# Allegro board 8880F5-0824_updates.brd

Outline 581.66 x 429.26 mm; copper layers: TOP, L02_DGND, L03_SIGNAL, L04_DGND, L05_SIGNAL, L06_DGND, L07_SIGNAL, L08_DGND, L09_SIGNAL, L10_DGND, L11_POWER, L12_DGND, L13_POWER, L14_DGND, L15_POWER, L16_DGND, L17_5V, L18_CBIT, L19_DGND, L20_POWER, L21_DGND, L22_POWER, L23_DGND, L24_POWER, L25_DGND, L26_SIGNAL, L27_DGND, L28_SIGNAL, L29_DGND, L30_SIGNAL, L31_DGND, L32_SIGNAL, L33_DGND, BOTTOM. Coordinates in mm from the lower left corner of the outline.

## Placement (name value [footprint] x y rotation side)
BD29  BD120-3A-S8  [FB0805]  129.54 134.62 180 bottom
BD30  BD120-3A-S8  [FB0805]  129.54 146.05 180 bottom
BD31  BD120-3A-S8  [FB0805]  129.54 142.24 0 bottom
BD32  BD120-3A-S8  [FB0805]  513.08 238.76 180 bottom
BD33  BD120-3A-S8  [FB0805]  513.08 242.57 180 bottom
BD34  BD120-3A-S8  [FB0805]  453.64 145.54 0 bottom
BD35  BD120-3A-S8  [FB0805]  453.64 137.92 180 bottom
BD36  BD120-3A-S8  [FB0805]  129.54 138.43 180 bottom
BD37  BD120-3A-S8  [FB0805]  453.64 130.3 180 bottom
BD38  BD120-3A-S8  [FB0805]  513.08 242.57 180 bottom
BD39  BD120-3A-S8  [FB0805]  453.64 141.73 0 bottom
BD40  BD120-3A-S8  [FB0805]  453.64 134.11 180 bottom
BD41  BD120-3A-S8  [FB0805]  513.08 234.95 180 bottom
BD42  BD120-3A-S8  [FB0805]  513.08 231.14 180 bottom
BD43  BD120-3A-S8  [FB0805]  513.08 227.33 180 bottom
BD44  BD120-3A-S8  [FB0805]  129.54 149.86 180 bottom
BR902  330-1-S4  [R0402]  36.83 133.35 270 bottom
C3  0.1U-16-X-S4-MU  [C0402]  184.15 132.33 180 bottom
C4  0.1U-16-X-S4-MU  [C0402]  181.61 132.33 180 bottom
C5  22P-50-N-S4-AVX  [C0402]  221.21 277.48 90 bottom
C6  22P-50-N-S4-AVX  [C0402]  221.21 271.16 270 bottom
C7  0.1U-16-X-S4-MU  [C0402]  110.74 230.12 0 bottom
C8  0.1U-16-X-S4-MU  [C0402]  104.14 215.5 180 bottom
C9  0.1U-16-X-S4-MU  [C0402]  104.24 229.1 180 bottom
CA1  NC/10U-10-X6S-S6-MU  [C0603]  186.05 292.1 0 bottom
CA2  NC/47U-10-X5R-S8-TDK  [C0805]  186.16 294 0 bottom
CA3  NC/10U-10-X6S-S6-MU  [C0603]  174.62 292.1 180 bottom
CA4  NC/47U-10-X5R-S8-TDK  [C0805]  174.52 294 180 bottom
CA5  NC/10U-10-X6S-S6-MU  [C0603]  117.47 290.83 180 bottom
CA6  NC/47U-10-X5R-S8-TDK  [C0805]  117.37 292.74 180 bottom
CA7  NC/10U-10-X6S-S6-MU  [C0603]  169.54 292.1 0 bottom
CA8  NC/47U-10-X5R-S8-TDK  [C0805]  169.65 294 0 bottom
CA9  NC/10U-10-X6S-S6-MU  [C0603]  158.11 292.1 180 bottom
CA10  NC/47U-10-X5R-S8-TDK  [C0805]  158.01 294 180 bottom
CA11  NC/10U-10-X6S-S6-MU  [C0603]  186.05 275.59 0 bottom
CA12  NC/47U-10-X5R-S8-TDK  [C0805]  186.16 277.5 0 bottom
CA13  NC/47U-10-X5R-S8-TDK  [C0805]  202.16 294 0 bottom
CA14  NC/10U-10-X6S-S6-MU  [C0603]  202.06 292.1 0 bottom
CA15  NC/47U-10-X5R-S8-TDK  [C0805]  190.53 294 180 bottom
CA16  NC/10U-10-X6S-S6-MU  [C0603]  190.63 292.1 180 bottom
CA17  NC/47U-10-X5R-S8-TDK  [C0805]  169.65 277.5 0 bottom
CA18  NC/10U-10-X6S-S6-MU  [C0603]  169.54 275.59 0 bottom
CA19  NC/47U-10-X5R-S8-TDK  [C0805]  100.34 249.52 180 bottom
CA20  NC/10U-10-X6S-S6-MU  [C0603]  100.44 247.61 180 bottom
CA21  10U-10-X6S-S6-MU  [C0603]  186.05 289.56 0 bottom
CA22  10U-10-X6S-S6-MU  [C0603]  174.62 289.56 180 bottom
CA23  10U-10-X6S-S6-MU  [C0603]  117.47 288.29 180 bottom
CA24  10U-10-X6S-S6-MU  [C0603]  169.54 289.56 0 bottom
CA25  10U-10-X6S-S6-MU  [C0603]  158.11 289.56 180 bottom
CA26  10U-10-X6S-S6-MU  [C0603]  186.05 273.05 0 bottom
CA27  10U-10-X6S-S6-MU  [C0603]  202.06 289.56 0 bottom
CA28  10U-10-X6S-S6-MU  [C0603]  190.63 289.56 180 bottom
CA29  10U-10-X6S-S6-MU  [C0603]  169.54 273.05 0 bottom
CA30  NC/47U-10-X5R-S8-TDK  [C0805]  95.47 249.57 180 bottom
CA31  10U-10-X6S-S6-MU  [C0603]  95.57 247.66 180 bottom
CA32  NC/10U-10-X6S-S6-MU  [C0603]  202.06 275.59 0 bottom
CA33  NC/47U-10-X5R-S8-TDK  [C0805]  202.16 277.5 0 bottom
CA34  10U-10-X6S-S6-MU  [C0603]  202.06 273.05 0 bottom
CA35  NC/10U-10-X6S-S6-MU  [C0603]  174.62 275.59 180 bottom
CA36  NC/47U-10-X5R-S8-TDK  [C0805]  174.52 277.5 180 bottom
CA37  10U-10-X6S-S6-MU  [C0603]  174.62 273.05 180 bottom
CA38  NC/10U-10-X6S-S6-MU  [C0603]  158.11 275.59 180 bottom
CA39  NC/47U-10-X5R-S8-TDK  [C0805]  158.01 277.5 180 bottom
CA40  10U-10-X6S-S6-MU  [C0603]  158.11 273.05 180 bottom
CB1  0.1U-25-X-S6  [C0603]  116.84 130.81 0 bottom
CB2  10U-16-T-SA  [CODE_A]  116.84 128.27 0 bottom
CB3  0.1U-25-X-S6  [C0603]  472.44 130.81 0 bottom
CB4  10U-16-T-SA  [CODE_A]  472.44 128.27 0 bottom
CB5  0.1U-25-X-S6  [C0603]  556.51 300.99 0 bottom
CB6  10U-16-T-SA  [CODE_A]  556.51 298.45 0 bottom
CB7  0.1U-25-X-S6  [C0603]  223.52 298.45 0 bottom
CB8  10U-16-T-SA  [CODE_A]  223.52 295.91 0 bottom
CB9  0.1U-25-X-S6  [C0603]  23.01 130.71 0 bottom
CB10  10U-25-X7R-SA  [C1206]  22.86 128.27 0 bottom
CB11  0.1U-25-X-S6  [C0603]  484.02 130.71 0 bottom
CB12  10U-25-X7R-SA  [C1206]  483.87 128.27 0 bottom
CB13  0.1U-25-X-S6  [C0603]  547.52 300.89 0 bottom
CB14  10U-25-X7R-SA  [C1206]  547.37 298.45 0 bottom
CB15  0.1U-25-X-S6  [C0603]  12.45 262.13 0 bottom
CB16  10U-25-X7R-SA  [C1206]  12.3 259.69 0 bottom
CB19  0.1U-25-X7R-S4-MU  [C0402]  215.9 17.78 180 bottom
CC1  0.47U-10-X6S-S2-TY  [C0201]  237.98 224.12 90 bottom
CC2  4.7U-10-X6T-S4-MU  [C0402]  236.32 222.4 270 bottom
CC4  0.47U-10-X6S-S2-TY  [C0201]  229.81 247.93 0 bottom
CC6  0.47U-10-X6S-S2-TY  [C0201]  250.17 224.12 90 bottom
CC7  0.47U-10-X6S-S2-TY  [C0201]  229.81 246.66 0 bottom
CC8  0.47U-10-X6S-S2-TY  [C0201]  263.63 224.12 90 bottom
CC9  0.47U-10-X6S-S2-TY  [C0201]  254.61 266.16 270 bottom
CC11  0.47U-10-X6S-S2-TY  [C0201]  251.06 224.12 90 bottom
CC13  0.47U-10-X6S-S2-TY  [C0201]  256.77 224.12 90 bottom
CC15  4.7U-2.5-X6S-S2-MU  [C0201]  259.65 264.95 90 bottom
CC16  NC/4.7U-2.5-X6S-S2-MU  [C0201]  271.64 249.5 0 bottom
CC17  4.7U-2.5-X6S-S2-MU  [C0201]  229.81 253.69 0 bottom
CC19  0.47U-10-X6S-S2-TY  [C0201]  252.83 266.16 270 bottom
CC20  4.7U-10-X6T-S4-MU  [C0402]  254.11 267.66 0 bottom
CC22  0.47U-10-X6S-S2-TY  [C0201]  251.05 266.16 270 bottom
CC23  4.7U-10-X6T-S4-MU  [C0402]  250.34 253.09 270 bottom
CC25  0.47U-10-X6S-S2-TY  [C0201]  272.85 245.18 180 bottom
CC26  0.47U-10-X6S-S2-TY  [C0201]  253.72 266.16 270 bottom
CC27  0.47U-10-X6S-S2-TY  [C0201]  272.85 249.5 180 bottom
CC28  0.47U-10-X6S-S2-TY  [C0201]  259.65 266.16 270 bottom
CC29  0.47U-10-X6S-S2-TY  [C0201]  231.03 253.69 180 bottom
CC30  0.47U-10-X6S-S2-TY  [C0201]  229.81 243.41 0 bottom
CC31  0.47U-10-X6S-S2-TY  [C0201]  249.28 224.12 90 bottom
CC32  0.47U-10-X6S-S2-TY  [C0201]  262.36 224.12 90 bottom
CC33  0.47U-10-X6S-S2-TY  [C0201]  272.85 243.91 180 bottom
CC34  0.47U-10-X6S-S2-TY  [C0201]  251.94 266.16 270 bottom
CC35  0.47U-10-X6S-S2-TY  [C0201]  272.85 241.37 180 bottom
CC36  0.47U-10-X6S-S2-TY  [C0201]  272.85 242.64 180 bottom
CC37  0.47U-10-X6S-S2-TY  [C0201]  247.57 264.95 90 bottom
CC38  NC/4.7U-2.5-X6S-S2-MU  [C0201]  247.57 266.16 270 bottom
CC39  0.47U-10-X6S-S2-TY  [C0201]  231.03 249.2 180 bottom
CC40  4.7U-2.5-X6S-S2-MU  [C0201]  258.5 246.67 180 bottom
CC41  4.7U-2.5-X6S-S2-MU  [C0201]  229.81 249.2 0 bottom
CC42  4.7U-2.5-X6S-S2-MU  [C0201]  251.54 253.03 90 bottom
CD1  0.1U-10-X7R-S2-MU  [C0201]  237.98 225.34 270 top
CD3  0.1U-10-X7R-S2-MU  [C0201]  271.64 241.37 0 top
CD4  0.1U-10-X7R-S2-MU  [C0201]  254.61 264.95 90 top
CD5  0.1U-10-X7R-S2-MU  [C0201]  263.63 225.34 270 top
CD6  0.1U-10-X7R-S2-MU  [C0201]  231.03 246.66 180 top
CD7  0.1U-10-X7R-S2-MU  [C0201]  271.64 242.64 0 top
CD8  0.1U-10-X7R-S2-MU  [C0201]  251.06 225.34 270 top
CD9  0.1U-10-X7R-S2-MU  [C0201]  256.77 225.34 270 top
CD10  0.1U-10-X7R-S2-MU  [C0201]  271.64 249.5 0 top
CD11  0.1U-10-X7R-S2-MU  [C0201]  259.65 264.95 90 top
CD12  0.1U-10-X7R-S2-MU  [C0201]  231.03 253.69 180 top
CD13  0.1U-10-X7R-S2-MU  [C0201]  252.83 264.95 90 top
CD14  0.1U-10-X7R-S2-MU  [C0201]  251.05 264.95 90 top
CD15  0.1U-10-X7R-S2-MU  [C0201]  271.64 245.18 0 top
CD16  0.1U-10-X7R-S2-MU  [C0201]  253.72 264.95 90 top
CD17  0.1U-10-X7R-S2-MU  [C0201]  231.03 247.93 180 top
CD18  0.1U-10-X7R-S2-MU  [C0201]  251.94 264.95 90 top
CD19  0.1U-10-X7R-S2-MU  [C0201]  231.03 243.41 180 top
CD20  0.1U-10-X7R-S2-MU  [C0201]  271.64 243.91 0 top
CD21  0.1U-10-X7R-S2-MU  [C0201]  262.36 225.34 270 top
CD22  0.1U-10-X7R-S2-MU  [C0201]  249.28 225.34 270 top
CD23  0.1U-10-X7R-S2-MU  [C0201]  250.17 225.34 270 top
CD24  0.1U-10-X7R-S2-MU  [C0201]  247.57 264.95 90 top
CD25  0.1U-10-X7R-S2-MU  [C0201]  231.03 249.2 180 top
CSDPS225  V93K_CSDPS_DPS32  [PG_VG93K_PF_DPS32_G8D225]  254 331.47 0 top
CSDPS229  V93K_CSDPS_DPS32  [PG_VG93K_PF_DPS32_G8D229]  180.34 331.47 0 top
CSDPS425  V93K_CSDPS_DPS32  [PG_VG93K_PF_DPS32_G8D425]  254 341.63 0 top
CSDPS429  V93K_CSDPS_DPS32  [PG_VG93K_PF_DPS32_G8D429]  180.34 341.63 0 top
D101/D501  V93K_PS1600 HD  [PG_VG93K_F_HSM_G1D101_501_ND]  327.66 97.79 0 top
D102  V93K_CH  [PG_VG93K_F_G1D102]  327.66 77.47 0 top
D103  V93K_CH  [PG_VG93K_F_G1D103]  327.66 57.15 0 top
D104  V93K_CH  [PG_VG93K_F_G1D104]  327.66 36.83 0 top
D105/D505  V93K_PS1600 HD  [PG_VG93K_F_HSM_G1D105_505_ND]  401.32 97.79 0 top
D106  V93K_CH  [PG_VG93K_F_G1D106]  401.32 77.47 0 top
D107  V93K_CH  [PG_VG93K_F_G1D107]  401.32 57.15 0 top
D108  V93K_CH  [PG_VG93K_F_G1D108]  401.32 36.83 0 top
D109  V93K_CH  [PG_VG93K_F_G2D109]  401.32 331.47 0 top
D110  V93K_CH  [PG_VG93K_F_G2D110]  401.32 351.79 0 top
D111  V93K_CH  [PG_VG93K_F_G2D111]  401.32 372.11 0 top
D112  V93K_CH  [PG_VG93K_F_G2D112]  401.32 392.43 0 top
D113  V93K_CH  [PG_VG93K_F_G2D113]  327.66 331.47 0 top
D114  V93K_CH  [PG_VG93K_F_G2D114]  327.66 351.79 0 top
D115  V93K_CH  [PG_VG93K_F_G2D115]  327.66 372.11 0 top
D116  V93K_CH  [PG_VG93K_F_G2D116]  327.66 392.43 0 top
D117/D517  V93K_PS1600 HD  [PG_VG93K_F_HSM_G3D117_517_ND]  180.34 97.79 0 top
D118  V93K_CH  [PG_VG93K_F_G3D118]  180.34 77.47 0 top
D119  V93K_CH  [PG_VG93K_F_G3D119]  180.34 57.15 0 top
D120  V93K_CH  [PG_VG93K_F_G3D120]  180.34 36.83 0 top
D121/D521  V93K_PS1600 HD  [PG_VG93K_F_HSM_G3D121_521_ND]  254 97.79 0 top
D122  V93K_CH  [PG_VG93K_F_G3D122]  254 77.47 0 top
D123  V93K_CH  [PG_VG93K_F_G3D123]  254 57.15 0 top
D124  V93K_CH  [PG_VG93K_F_G3D124]  254 36.83 0 top
D125  V93K_CH  [PG_VG93K_F_G4D125]  33.02 97.79 0 top
D126  V93K_CH  [PG_VG93K_F_G4D126]  33.02 77.47 0 top
D127  V93K_CH  [PG_VG93K_F_G4D127]  33.02 57.15 0 top
D128  V93K_CH  [PG_VG93K_F_G4D128]  33.02 36.83 0 top
D129  V93K_CH  [PG_VG93K_F_G4D129]  106.68 97.79 0 top
D130  V93K_CH  [PG_VG93K_F_G4D130]  106.68 77.47 0 top
D131  V93K_CH  [PG_VG93K_F_G4D131]  106.68 57.15 0 top
D132  V93K_CH  [PG_VG93K_F_G4D132]  106.68 36.83 0 top
D231  V93K_CH  [PG_VG93K_F_G8D231]  180.34 372.11 0 top
D301  V93K_CH  [PG_VG93K_F_G1D301]  327.66 87.63 0 top
D302  V93K_CH  [PG_VG93K_F_G1D302]  327.66 67.31 0 top
D305  V93K_CH  [PG_VG93K_F_G1D305]  401.32 87.63 0 top
D306  V93K_CH  [PG_VG93K_F_G1D306]  401.32 67.31 0 top
D309  V93K_PSSL  [PG_VG93K_F_PSSL_G2D309_ND]  401.32 341.63 0 top
D313  V93K_PSSL  [PG_VG93K_F_PSSL_G2D313_ND]  327.66 341.63 0 top
D317  V93K_CH  [PG_VG93K_F_G3D317]  180.34 87.63 0 top
D318  V93K_CH  [PG_VG93K_F_G3D318]  180.34 67.31 0 top
D321  V93K_CH  [PG_VG93K_F_G3D321]  254 87.63 0 top
D322  V93K_CH  [PG_VG93K_F_G3D322]  254 67.31 0 top
D431  V93K_CH  [PG_VG93K_F_G8D431]  180.34 382.27 0 top
DPS1  V93K_DPS  [PG_VG93K_F_G1DPS1]  401.32 16.51 0 top
DPS2  V93K_DPS  [PG_VG93K_F_G2DPS2]  327.66 412.75 0 top
DPS3  V93K_DPS  [PG_VG93K_F_G3DPS3]  254 16.51 0 top
DPS8  V93K_DPS  [PG_VG93K_F_G8DPS8]  180.34 412.75 0 top
FD1  -  [FD_040_V2]  159.82 131.98 0 top
FD2  -  [FD_040_V2]  423.24 131.98 0 top
FD3  -  [FD_040_V2]  423.24 297.28 0 top
FD4  -  [FD_040_V2]  156.51 297.46 0 top
FD5  -  [FD_040_V2]  159.82 131.98 180 bottom
FD6  -  [FD_040_V2]  423.24 131.98 180 bottom
FD7  -  [FD_040_V2]  423.24 297.28 180 bottom
FD8  -  [FD_040_V2]  156.51 297.46 180 bottom
FD9  -  [FD_040_V2]  570.23 128.27 180 bottom
FD10  -  [FD_040_V2]  570.23 300.99 0 top
FD11  -  [FD_040_V2]  570.23 300.99 180 bottom
FD12  -  [FD_040_V2]  11.43 300.99 0 top
FD13  -  [FD_040_V2]  11.43 300.99 180 bottom
FD14  -  [FD_040_V2]  11.43 127 0 top
FD15  -  [FD_040_V2]  11.43 127 180 bottom
FD16  -  [FD_040_V2]  570.23 128.27 0 top
GND1  TP01  [TP_040_T]  173.57 294 0 top
GND2  TP01  [TP_040_T]  187.11 294 180 top
GND3  TP01  [TP_040_T]  116.42 292.74 0 top
GND4  TP01  [TP_040_T]  157.06 294 0 top
GND5  TP01  [TP_040_T]  170.6 294 180 top
GND6  TP01  [TP_040_T]  173.57 277.5 0 top
GND7  TP01  [TP_040_T]  203.11 294 180 top
GND8  TP01  [TP_040_T]  189.58 294 0 top
GND9  TP01  [TP_040_T]  170.6 277.5 180 top
GND10  TP01  [TP_040_T]  99.36 249.46 0 top
GND11  TP01  [TP_040_T]  94.49 249.52 0 top
GND12  TP01  [TP_040_T]  203.11 277.5 180 top
GND13  TP01  [TP_040_T]  187.11 277.5 180 top
GND14  TP01  [TP_040_T]  157.06 277.5 0 top
HX8880-F05  REF-CODE-CHIP  [CHIP_CODE]  559.05 279.65 0 top
J1  HDR-2X1-M  [JP_2P_100]  110.24 232.41 270 bottom
J2  HDR-3X1-M  [JP_3P_100]  88.76 205.43 90 bottom
J3  HDR-3X1-M  [JP_3P_100]  88.76 219.15 90 bottom
J4  HDR-2X1-M  [JP_2P_100]  96.27 231.39 90 bottom
J5  HDR-2X1-M  [JP_2P_100]  96.27 243.08 90 bottom
JG_220919AA01  REF-CODE-SOCKET  [SOCKET_CODE]  559.05 284.73 0 top
JG_220919AA02  REF-CODE-SOCKET  [SOCKET_CODE]  559.05 287.27 0 top
K1  G6K-2F-RF-T-5V-SPECIAL  [RL_G6K2FRT_8P_5V_GR]  171.7 219.2 270 bottom
K2  G6K-2F-RF-T-5V-SPECIAL  [RL_G6K2FRT_8P_5V_GR]  205.23 232.92 270 bottom
K3  G6K-2F-RF-T-5V-SPECIAL  [RL_G6K2FRT_8P_5V_GR]  294.39 292.86 0 bottom
K4  G6K-2F-RF-T-5V-SPECIAL  [RL_G6K2FRT_8P_5V_GR]  307.59 292.86 0 bottom
K5  G6K-2F-RF-T-5V-SPECIAL  [RL_G6K2FRT_8P_5V_GR]  347.73 292.86 0 bottom
K6  G6K-2F-RF-T-5V-SPECIAL  [RL_G6K2FRT_8P_5V_GR]  334.26 292.86 0 bottom
K7  G6K-2F-RF-T-5V-SPECIAL  [RL_G6K2FRT_8P_5V_GR]  320.8 292.86 0 bottom
K8  G6K-2F-RF-T-5V-SPECIAL  [RL_G6K2FRT_8P_5V_GR]  267.46 292.86 0 bottom
K9  UA2-5NJ-A-V3  [RL_NECUA2_5V_V3]  219.96 235.46 90 bottom
K10  UA2-5NJ-A-V3  [RL_NECUA2_5V_V3]  111.76 237.24 0 bottom
K11  G6K-2F-RF-T-5V-SPECIAL  [RL_G6K2FRT_8P_5V_GR]  289.56 276.1 180 bottom
K12  UA2-5NJ-A-V3  [RL_NECUA2_5V_V3]  219.96 246.89 90 bottom
K13  UA2-5NJ-A-V3  [RL_NECUA2_5V_V3]  123.7 229.62 180 bottom
K14  UA2-5NJ-A-V3  [RL_NECUA2_5V_V3]  112.01 220.73 180 bottom
K15  UA2-5NJ-A-V3  [RL_NECUA2_5V_V3]  123.99 213.19 180 bottom
K16  G6K-2F-RF-T-5V-SPECIAL  [RL_G6K2FRT_8P_5V_GR]  241.05 292.61 180 bottom
K17  G6K-2F-RF-T-5V-SPECIAL  [RL_G6K2FRT_8P_5V_GR]  254.25 292.86 0 bottom
K18  UB2-5NU-B  [RL_NECUB2_5V]  228.45 274.32 0 bottom
K19  UA2-5NJ-A-V3  [RL_NECUA2_5V_V3]  112.01 213.11 180 bottom
K20  UA2-5NJ-A-V3  [RL_NECUA2_5V_V3]  123.95 220.73 180 bottom
K21  G6K-2F-RF-T-5V-SPECIAL  [RL_G6K2FRT_8P_5V_GR]  280.92 292.86 0 bottom
K22  G6K-2F-RF-T-5V-SPECIAL  [RL_G6K2FRT_8P_5V_GR]  205.23 246.63 270 bottom
K23  G6K-2F-RF-T-5V-SPECIAL  [RL_G6K2FRT_8P_5V_GR]  188.47 232.92 270 bottom
K24  G6K-2F-RF-T-5V-SPECIAL  [RL_G6K2FRT_8P_5V_GR]  171.7 232.92 270 bottom
K25  G6K-2F-RF-T-5V-SPECIAL  [RL_G6K2FRT_8P_5V_GR]  204.98 260.35 270 bottom
K26  G6K-2F-RF-T-5V-SPECIAL  [RL_G6K2FRT_8P_5V_GR]  188.47 246.63 270 bottom
K27  G6K-2F-RF-T-5V-SPECIAL  [RL_G6K2FRT_8P_5V_GR]  171.7 246.63 270 bottom
K28  UA2-5NJ-A-V3  [RL_NECUA2_5V_V3]  100.33 237.24 0 bottom
K29  G6K-2F-RF-T-5V-SPECIAL  [RL_G6K2FRT_8P_5V_GR]  171.7 260.35 270 bottom
K30  G6K-2F-RF-T-5V-SPECIAL  [RL_G6K2FRT_8P_5V_GR]  188.47 260.35 270 bottom
K31  EC2-5NJ-A  [RL_NECEC2_10P_5V]  196.34 276.86 90 bottom
K33  NC/UA2-5NJ-A-V3  [RL_NECUA2_5V_V3]  123.7 237.24 180 bottom
K34  EC2-5NJ-A  [RL_NECEC2_10P_5V]  180.34 293.37 90 bottom
K36  EC2-5NJ-A  [RL_NECEC2_10P_5V]  123.19 292.1 90 bottom
K37  EC2-5NJ-A  [RL_NECEC2_10P_5V]  163.83 293.37 90 bottom
K39  EC2-5NJ-A  [RL_NECEC2_10P_5V]  180.34 276.86 90 bottom
K40  EC2-5NJ-A  [RL_NECEC2_10P_5V]  196.34 293.37 90 bottom
K42  EC2-5NJ-A  [RL_NECEC2_10P_5V]  163.83 276.86 90 bottom
K43  G6K-2F-RF-T-5V-SPECIAL  [RL_G6K2FRT_8P_5V_GR]  269.49 276.1 180 bottom
LD902  LDG-2-S8  [LED_0805]  36.83 130.81 90 top
LOGO1  -  [LOGO_KT_KSMT]  538.48 154.94 0 top
LOGO2  LOGO_HX_Himax  [LOGO_HX_HIMAX]  518.16 138.43 0 top
LQFP176-20X20-P0.4  REF-CODE-CHIP  [CHIP_CODE]  559.05 282.19 0 top
NOREF  -  []  465.45 273.87 90 top
NOREF#2  -  []  393.19 287.22 90 top
NOREF#3  -  []  302.11 192.14 0 top
NOREF#4  -  []  330.74 224.74 0 top
NOREF#5  -  []  390.34 192.28 0 top
NOREF#6  -  []  251.06 165.04 90 top
NOREF#7  -  []  251.05 265.86 90 top
NOREF#8  -  []  327.7 131.19 90 top
NOREF#9  -  []  297.83 174.63 90 top
NOREF#10  -  []  405.93 256.92 90 top
NOREF#11  -  []  259.88 288.31 90 top
NOREF#12  -  []  317.66 164.74 0 top
NOREF#13  -  []  309.51 187.93 0 top
NOREF#14  -  []  166.06 257.62 90 top
NOREF#15  -  []  249.28 165.04 90 top
NOREF#16  -  []  328.42 129.74 90 top
NOREF#17  -  []  313.98 143.79 90 top
NOREF#18  -  []  381.2 258.38 90 top
NOREF#19  -  []  184.47 229.07 90 top
NOREF#20  -  []  373.68 232.6 0 top
NOREF#21  -  []  383.83 209.11 0 top
NOREF#22  -  []  201.49 178.86 90 top
NOREF#23  -  []  220.36 188.49 0 top
NOREF#24  -  []  352.25 242.32 90 top
NOREF#25  -  []  331.86 192.43 90 top
NOREF#26  -  []  384.36 131.89 0 top
NOREF#27  -  []  399.8 207.46 90 top
NOREF#28  -  []  386.33 207.21 90 top
NOREF#29  -  []  405.93 224.56 90 top
NOREF#30  -  []  405.93 288.67 90 top
NOREF#31  -  []  116.27 171.02 0 top
NOREF#32  -  []  397.38 180.15 90 top
NOREF#33  -  []  420.37 255.47 90 top
NOREF#34  -  []  339.33 265.55 0 top
NOREF#35  -  []  339.65 205.86 90 top
NOREF#36  -  []  402.14 146.88 0 top
NOREF#37  -  []  308.36 262.16 45 top
NOREF#38  -  []  271.34 245.18 0 top
NOREF#39  -  []  392.21 131.94 90 top
NOREF#40  -  []  390.94 224.9 90 top
NOREF#41  -  []  167.7 186.57 0 top
NOREF#42  -  []  221.56 231.46 0 top
NOREF#43  -  []  229.51 187.93 0 top
NOREF#44  -  []  218.16 248.49 0 top
NOREF#45  -  []  185.2 276.04 90 top
NOREF#46  -  []  118.99 171.65 0 top
NOREF#47  -  []  201.23 219.75 90 top
NOREF#48  -  []  175.7 236.67 90 top
NOREF#49  -  []  201.49 161 90 top
NOREF#50  -  []  94.68 234.24 0 top
NOREF#51  -  []  165.8 226.57 0 top
NOREF#52  -  []  184.47 201.89 90 top
NOREF#53  -  []  184.47 151.68 90 top
NOREF#54  -  []  398.65 289.12 0 top
NOREF#55  -  []  471.21 168.33 90 top
NOREF#56  -  []  310.43 243.09 0 top
NOREF#57  -  []  425.7 144.98 90 top
NOREF#58  -  []  106.76 222.88 0 top
NOREF#59  -  []  230.73 249.2 0 top
NOREF#60  -  []  108.01 214.71 0 top
NOREF#61  -  []  273.59 272.15 90 top
NOREF#62  -  []  471.21 219.38 90 top
NOREF#63  -  []  184.47 192.32 90 top
NOREF#64  -  []  108.01 195.15 0 top
NOREF#65  -  []  192.47 216.45 90 top
NOREF#66  -  []  168.13 145.38 90 top
NOREF#67  -  []  271.34 182.64 0 top
NOREF#68  -  []  107.02 179.19 0 top
NOREF#69  -  []  118.7 222.88 0 top
NOREF#70  -  []  333.4 204.35 90 top
NOREF#71  -  []  235.85 296.61 0 top
NOREF#72  -  []  209.33 242.68 90 top
NOREF#73  -  []  35.83 128.17 90 top
NOREF#74  -  []  216.96 252.14 0 top
NOREF#75  -  []  334.81 296.86 0 top
NOREF#76  -  []  247.25 205.55 0 top
NOREF#77  -  []  184.47 173.11 0 top
NOREF#78  -  []  175.8 160.9 90 top
NOREF#79  -  []  410.52 289.12 0 top
NOREF#80  -  []  326.17 131.69 90 top
NOREF#81  -  []  254.61 204.65 90 top
NOREF#82  -  []  380.59 255.21 0 top
NOREF#83  -  []  408.92 265.37 0 top
NOREF#84  -  []  304.61 144.34 0 top
NOREF#85  -  []  396.03 180.15 0 top
NOREF#86  -  []  110.21 222.33 0 top
NOREF#87  -  []  175.7 168.6 90 top
NOREF#88  -  []  328.96 164.72 0 top
NOREF#89  -  []  229.21 183.09 0 top
NOREF#90  -  []  165.8 185.42 0 top
NOREF#91  -  []  259.84 133.29 90 top
NOREF#92  -  []  419.47 241.11 90 top
NOREF#93  -  []  271.34 189.5 0 top
NOREF#94  -  []  167.7 132.72 90 top
NOREF#95  -  []  261.63 255.43 90 top
NOREF#96  -  []  310.41 183.09 90 top
NOREF#97  -  []  470.71 183.57 90 top
NOREF#98  -  []  371.48 249.11 0 top
NOREF#99  -  []  300.36 248.49 0 top
NOREF#100  -  []  175.7 264.1 90 top
NOREF#101  -  []  305.83 204.31 0 top
NOREF#102  -  []  341.63 195.43 90 top
NOREF#103  -  []  453.88 239.34 0 top
NOREF#104  -  []  273.95 155.38 0 top
NOREF#105  -  []  249.6 224.74 90 top
NOREF#106  -  []  263.83 231.63 90 top
NOREF#107  -  []  230.43 187.61 0 top
NOREF#108  -  []  167.7 186.57 90 top
NOREF#109  -  []  254.29 265.56 0 top
NOREF#110  -  []  101.82 290.38 90 top
NOREF#111  -  []  331.38 163.52 90 top
NOREF#112  -  []  201.23 204.09 90 top
NOREF#113  -  []  475.04 239.09 0 top
NOREF#114  -  []  423.61 182.42 90 top
NOREF#115  -  []  226.27 156.63 90 top
NOREF#116  -  []  385.19 224.85 0 top
NOREF#117  -  []  231.15 219.63 90 top
NOREF#118  -  []  229.21 246.34 0 top
NOREF#119  -  []  372.72 161.49 0 top
NOREF#120  -  []  419.9 288.67 90 top
NOREF#121  -  []  119.7 231.22 0 top
NOREF#122  -  []  286.81 272.1 0 top
NOREF#123  -  []  451.64 179.06 0 top
NOREF#124  -  []  253.72 204.65 90 top
NOREF#125  -  []  327.27 131.64 90 top
NOREF#126  -  []  286.55 288.31 90 top
NOREF#127  -  []  461.86 187.32 0 top
NOREF#128  -  []  167.7 192.32 90 top
NOREF#129  -  []  279.27 288.86 0 top
NOREF#130  -  []  251.62 265.55 0 top
NOREF#131  -  []  199.84 175.58 90 top
NOREF#132  -  []  273.81 286.96 90 top
NOREF#133  -  []  199.33 257.62 90 top
NOREF#134  -  []  192.47 257.6 90 top
NOREF#135  -  []  256.77 163.82 90 top
NOREF#136  -  []  485.36 292.02 90 top
NOREF#137  -  []  327.57 264.65 90 top
NOREF#138  -  []  235.85 288.61 90 top
NOREF#139  -  []  410.84 163.64 90 top
NOREF#140  -  []  303.56 173.86 90 top
NOREF#141  -  []  418.12 289.12 0 top
NOREF#142  -  []  461.86 187.32 0 top
NOREF#143  -  []  405.5 241.11 90 top
NOREF#144  -  []  192.47 195.52 90 top
NOREF#145  -  []  184.47 163.2 90 top
NOREF#146  -  []  375.73 196.98 90 top
NOREF#147  -  []  201.91 172.56 90 top
NOREF#148  -  []  258.2 246.67 0 top
NOREF#149  -  []  167.7 134.07 90 top
NOREF#150  -  []  241.82 227.13 90 top
NOREF#151  -  []  116.27 178.64 0 top
NOREF#152  -  []  330.17 165.04 90 top
NOREF#153  -  []  263.14 282 0 top
NOREF#154  -  []  272.24 183.59 90 top
NOREF#155  -  []  398.65 265.37 0 top
NOREF#156  -  []  334.61 205.86 90 top
NOREF#157  -  []  317.57 209.63 90 top
NOREF#158  -  []  473.7 176.22 90 top
NOREF#159  -  []  369.63 289.12 0 top
NOREF#160  -  []  263.2 172.26 90 top
NOREF#161  -  []  182.57 171.96 0 top
NOREF#162  -  []  116.01 222.33 0 top
NOREF#163  -  []  373.73 207.21 0 top
NOREF#164  -  []  209.49 150.83 90 top
NOREF#165  -  []  201.49 149.73 90 top
NOREF#166  -  []  459.24 175.86 0 top
NOREF#167  -  []  250.17 223.82 90 top
NOREF#168  -  []  237.66 224.72 0 top
NOREF#169  -  []  165.8 131.57 0 top
NOREF#170  -  []  465.31 230.2 0 top
NOREF#171  -  []  424.47 163.19 90 top
NOREF#172  -  []  409.49 180.15 0 top
NOREF#173  -  []  200.98 260.9 90 top
NOREF#174  -  []  285.71 280.1 0 top
NOREF#175  -  []  272.24 189.18 90 top
NOREF#176  -  []  478.57 277.31 90 top
NOREF#177  -  []  201.66 199.99 90 top
NOREF#178  -  []  209.59 147.43 90 top
NOREF#179  -  []  289.01 272.1 0 top
NOREF#180  -  []  479.44 239.09 0 top
NOREF#181  -  []  528.1 259.9 90 top
NOREF#182  -  []  334.29 204.35 90 top
NOREF#183  -  []  209.49 175.56 90 top
NOREF#184  -  []  271.04 245.5 0 top
NOREF#185  -  []  118.74 215.34 0 top
NOREF#186  -  []  414.57 265.37 0 top
NOREF#187  -  []  230.43 248.88 90 top
NOREF#188  -  []  262.04 164.74 0 top
NOREF#189  -  []  511.59 273.87 90 top
NOREF#190  -  []  324.65 288.86 0 top
NOREF#191  -  []  333.33 181.33 90 top
NOREF#192  -  []  271.34 242.64 0 top
NOREF#193  -  []  342.04 224.72 0 top
NOREF#194  -  []  310.43 183.09 0 top
NOREF#195  -  []  313.22 288.41 90 top
NOREF#196  -  []  108.27 178.64 0 top
NOREF#197  -  []  218.16 188.49 0 top
NOREF#198  -  []  391.8 217.36 0 top
NOREF#199  -  []  93.76 273.87 90 top
NOREF#200  -  []  393.74 131.44 90 top
NOREF#201  -  []  352.25 182.32 90 top
NOREF#202  -  []  112.67 178.64 0 top
NOREF#203  -  []  251.94 205.86 90 top
NOREF#204  -  []  408.63 274.64 90 top
NOREF#205  -  []  388.43 163.64 0 top
NOREF#206  -  []  84.04 290.38 90 top
NOREF#207  -  []  279.27 296.86 0 top
NOREF#208  -  []  410.27 257.37 0 top
NOREF#209  -  []  201.66 240.88 90 top
NOREF#210  -  []  251.86 252.43 90 top
NOREF#211  -  []  238.45 197.01 0 top
NOREF#212  -  []  399.99 181.42 90 top
NOREF#213  -  []  230.43 247.61 0 top
NOREF#214  -  []  262.36 225.04 90 top
NOREF#215  -  []  201.49 165.4 90 top
NOREF#216  -  []  251.86 192.43 90 top
NOREF#217  -  []  194.09 228.47 90 top
NOREF#218  -  []  262.36 223.82 90 top
NOREF#219  -  []  352.25 241.69 0 top
NOREF#220  -  []  381.74 265.11 0 top
NOREF#221  -  []  124.1 231.22 0 top
NOREF#222  -  []  229.51 253.69 0 top
NOREF#223  -  []  175.7 150.58 90 top
NOREF#224  -  []  226.27 216.63 90 top
NOREF#225  -  []  127.3 235.64 90 top
NOREF#226  -  []  167.7 260.9 90 top
NOREF#227  -  []  369.63 289.12 0 top
NOREF#228  -  []  108.01 222.33 0 top
NOREF#229  -  []  272.8 145.48 90 top
NOREF#230  -  []  339.33 265.55 0 top
NOREF#231  -  []  339.33 264.35 90 top
NOREF#232  -  []  230.41 183.09 90 top
NOREF#233  -  []  199.59 189.04 90 top
NOREF#234  -  []  366.88 239.21 0 top
NOREF#235  -  []  477.24 195.66 0 top
NOREF#236  -  []  235.4 289.88 90 top